# Altium PCB 2-quilter-output.pcbdoc (part 6 of 17) (continued)
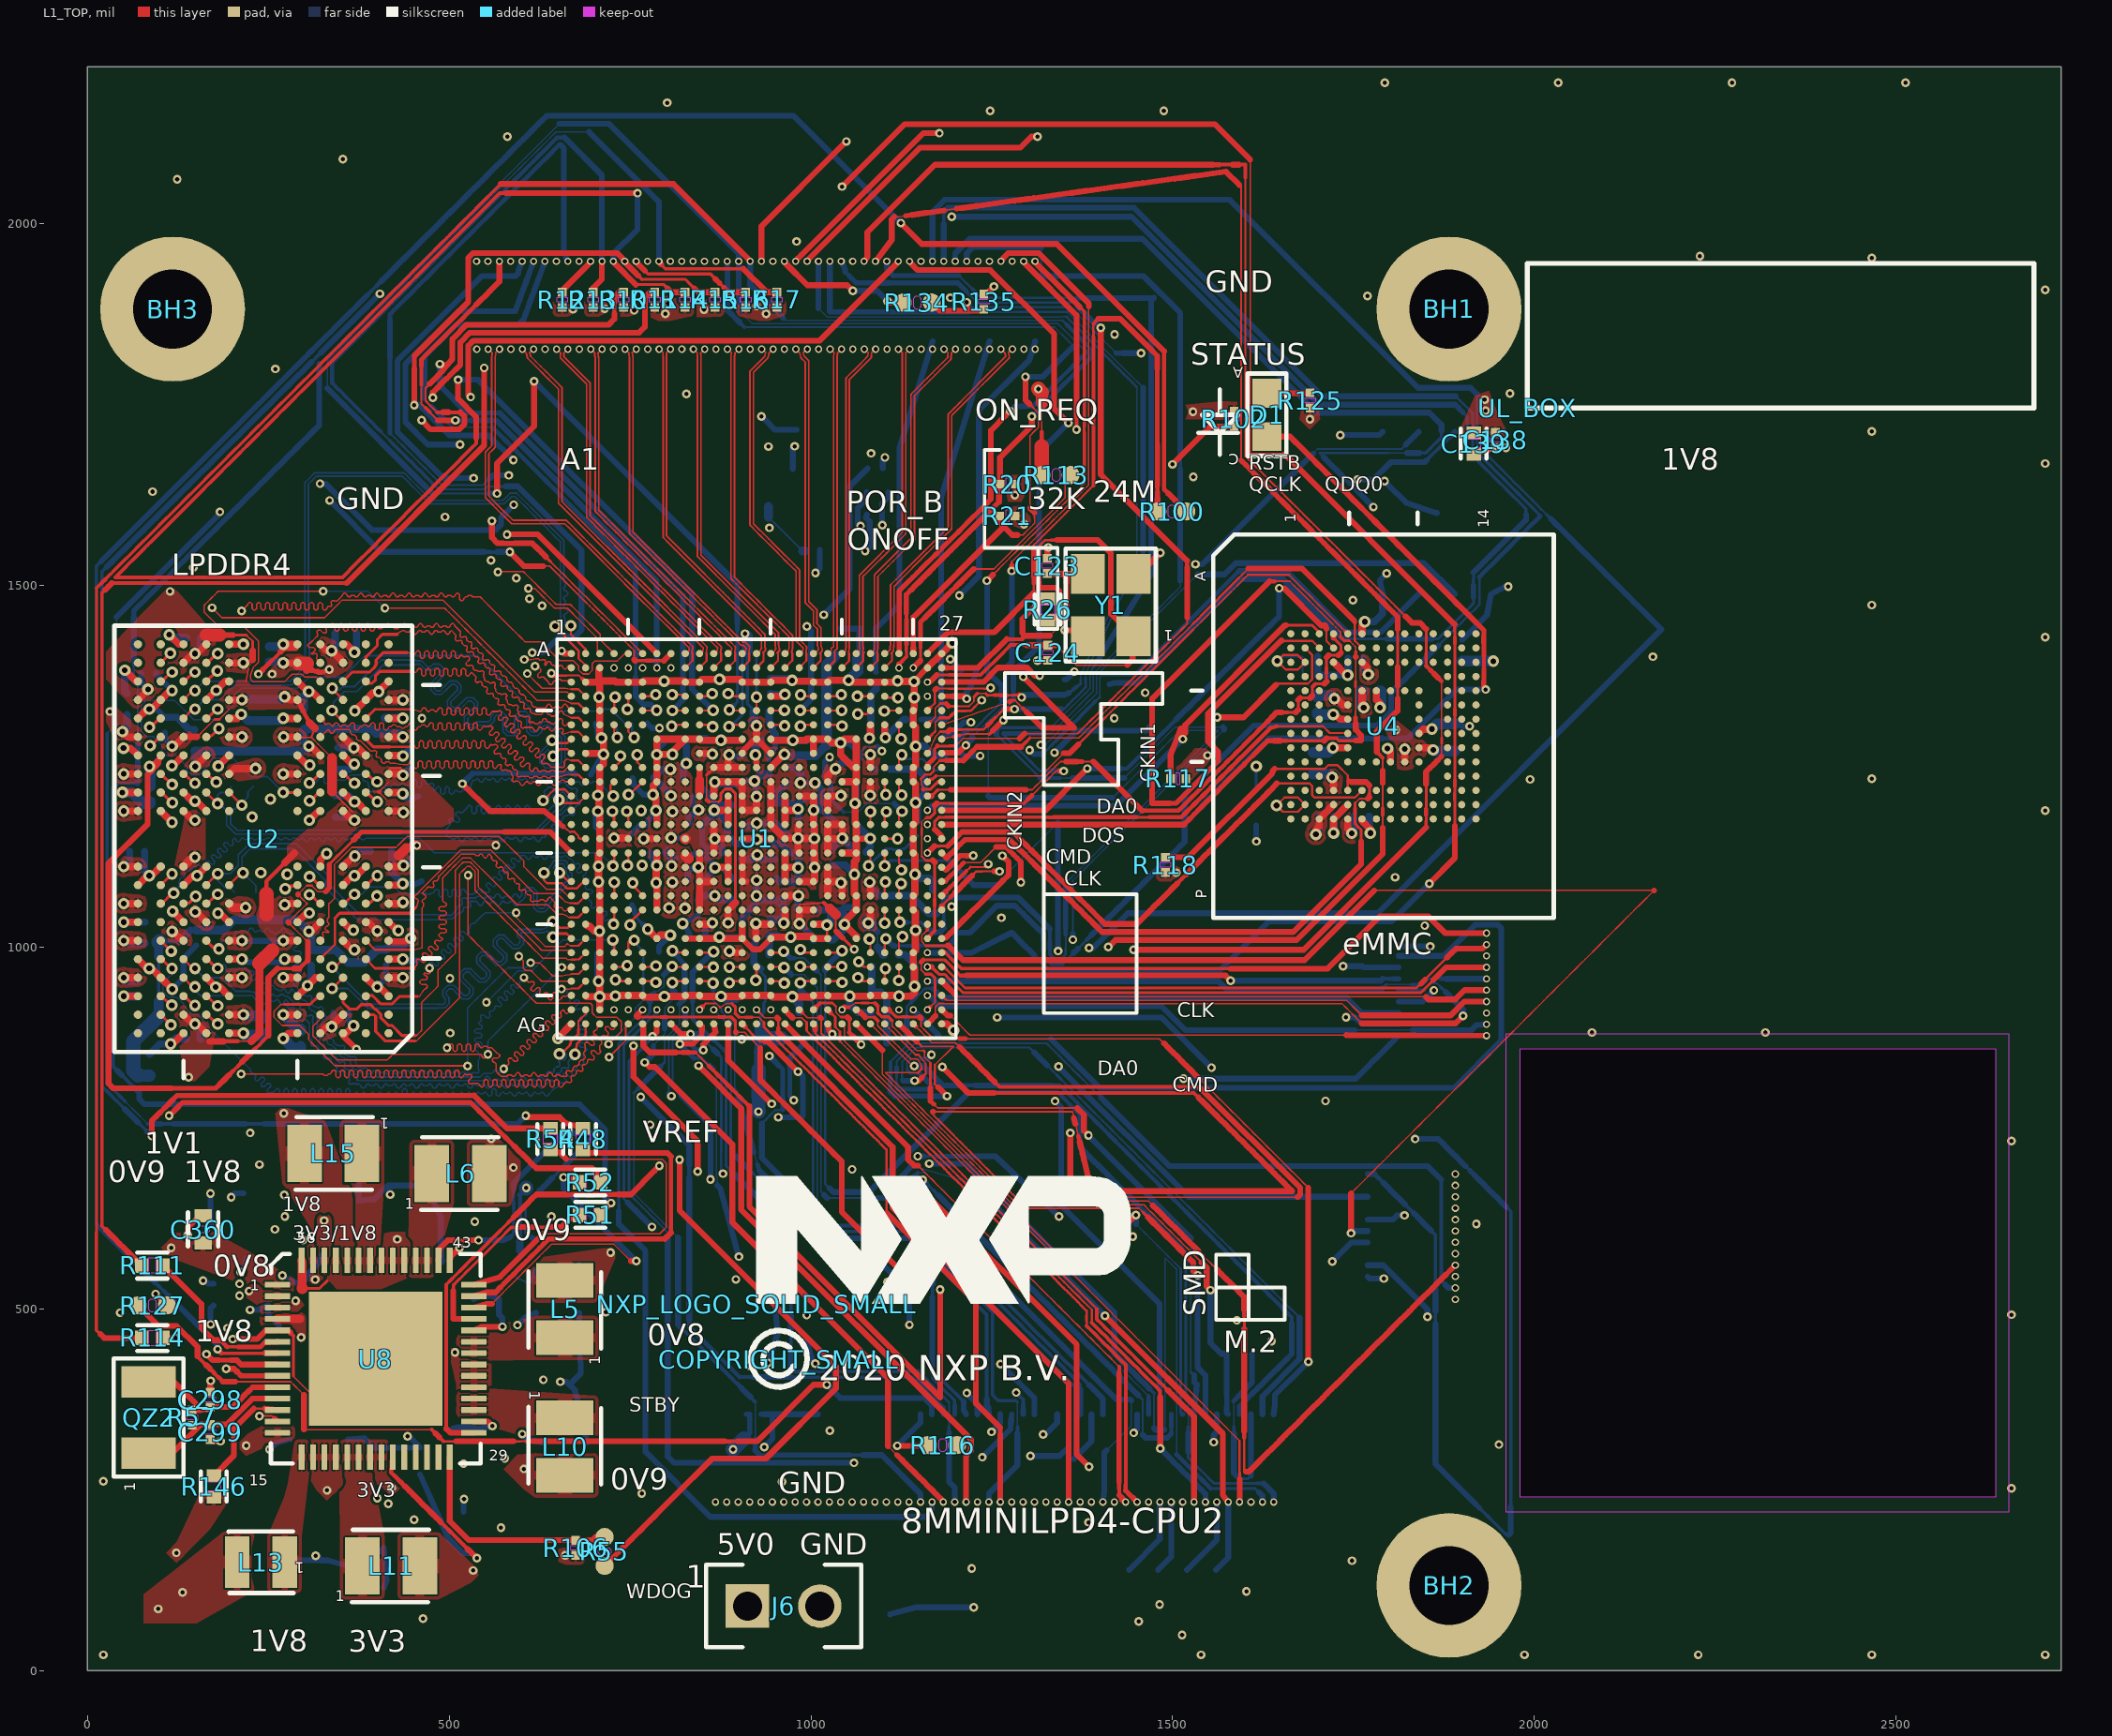
[diagram p0: L1_TOP view]
## Nets (pads, with @x,y where several pads share a name; then routed paths per layer and width w, separated by ;. In a path a pad name is that pad's centre, name@x,y a point inside that pad or via, vN(x,y) a via of type N, cw(c..) or ccw(c..) an arc to the next point about the centre after c; other vN are vias at no path point) (continued)
  L8_BOT w2: v1(553.76,851.97) 553.76,858.09 553.76,864.22 553.76,870.35 560.13,876.71 566.5,883.08 572.86,889.45 579.23,895.81 585.6,902.18 591.96,908.54 598.33,914.91 604.69,921.28 611.06,927.64 617.43,934.01 623.79,940.38 630.16,946.74 636.52,953.11 642.89,959.47 649.26,965.84 v1(655.62,972.21)
DRAMB_DATA7: U1.AC2 U2.C4 | length 657.8
  L1_TOP w2: 270.94,920.98 267.56,920.83 262.69,915.96 257.83,911.09 257.83,903.63 263.7,897.76 269.57,891.88 277.64,891.88 285.71,891.88 293.77,891.88 299.8,885.86 305.83,879.83 305.83,872.31 311.85,866.28 317.88,860.26 323.91,854.23 329.94,848.2 335.96,842.17 341.99,836.15 350.73,836.15 359.47,836.15 368.21,836.15 376.95,836.15 385.69,836.15 394.43,836.15 403.17,836.15 411.91,836.15 420.65,836.15 429.39,836.15 438.13,836.15 446.87,836.15 455.61,836.15 464.35,836.15 473.08,836.15 481.82,836.15 490.56,836.15 499.3,836.15 508.04,836.15 516.78,836.15 525.52,836.15 v1(525.66,836.01) ; v1(612.69,978.53) 618.9,978.53 625.1,978.53 631.17,972.47 637.24,966.4 643.3,960.33 649.51,960.33 655.71,960.33 661.6,961.29 667.48,962.24
  L1_TOP w3: 669,963 678.93,963 U1.AC2@688.67,972.74
  L1_TOP w4.1: 273,921 307.99,921 319.37,932.38 U2.C4@322.07,932.38
  L8_BOT w2: v1(525.66,836.01) 525.66,844.91 525.66,853.82 525.66,862.72 525.66,871.62 525.66,880.53 525.66,889.43 525.66,898.33 525.66,907.24 525.66,916.14 531.81,922.29 537.96,928.44 544.12,934.6 550.27,940.75 556.42,946.9 562.57,953.06 568.73,959.21 574.88,965.36 581.03,971.51 589.25,971.51 597.46,971.51 605.68,971.51 609.18,975.02 v1(612.69,978.53)
DRAMB_DATA8: U1.AG5 U2.B11 | length 1098.1
  L1_TOP w2: v1(721.21,848.31) 725.04,852.14 728.87,855.96 733.97,861.07 739.07,866.17 744.17,871.27 744.17,877.66 744.17,884.05 744.17,890.43 U1.AG5@747.73,893.99
  L1_TOP w4.1: U2.B11@101.6,906.79 v4(115.69,892.7)
  L3_INNER1 w2: v4(115.69,892.7) 123.74,892.7 123.74,889.3 129.9,883.14 136.06,876.98 142.22,870.82 148.38,864.66 154.54,858.5 160.7,852.34 166.86,846.18 173.02,840.02 179.18,833.86 185.34,827.7 191.5,821.54 197.66,815.38 203.82,809.22 212.62,809.22 221.42,809.22 230.21,809.22 239.01,809.22 247.81,809.22 256.6,809.22 265.4,809.22 267.4,809.22 269.44,807.18 273.44,807.18 275.48,809.22 277.48,809.22 279.52,807.18 279.52,806.18 281.55,804.15 283.56,804.15 285.59,806.18 285.59,807.18 287.63,809.22 289.63,809.22 291.67,807.18 295.67,807.18 297.71,809.22 299.71,809.22 301.75,807.18 301.75,806.18 303.78,804.15 305.79,804.15 307.82,806.18 307.82,807.18 309.86,809.22 311.86,809.22 313.9,807.18 317.9,807.18 319.94,809.22 321.94,809.22 323.98,807.18 323.98,806.18 326.01,804.15 328.02,804.15 330.05,806.18 330.05,807.18 332.09,809.22 334.09,809.22 336.13,807.18 340.13,807.18 342.17,809.22 344.17,809.22 346.21,807.18 346.21,806.18 348.25,804.15 350.25,804.15 352.28,806.18 352.28,807.18 354.32,809.22 356.32,809.22 358.36,807.18 362.36,807.18 364.4,809.22 366.4,809.22 368.44,807.18 368.44,806.18 370.48,804.15 372.48,804.15 374.51,806.18 374.51,807.18 376.55,809.22 378.55,809.22 380.59,807.18 384.59,807.18 386.63,809.22 388.63,809.22 390.67,807.18 390.67,806.18 392.71,804.15 394.71,804.15 396.75,806.18 396.75,807.18 398.78,809.22 400.78,809.22 402.82,807.18 406.82,807.18 408.86,809.22 410.86,809.22 412.9,807.18 412.9,806.18 414.94,804.15 416.94,804.15 418.98,806.18 418.98,807.18 421.01,809.22 423.01,809.22 425.05,807.18 429.06,807.18 431.09,809.22 433.09,809.22 435.13,807.18 435.13,806.18 437.17,804.15 439.17,804.15 441.21,806.18 441.21,807.18 443.24,809.22 445.25,809.22 447.28,807.18 451.29,807.18 453.32,809.22 455.33,809.22 457.36,807.18 457.36,806.18 459.4,804.15 461.4,804.15 463.44,806.18 463.44,807.18 465.47,809.22 467.48,809.22 469.51,807.18 473.52,807.18 475.55,809.22 477.56,809.22 479.59,807.18 479.59,806.18 481.63,804.15 483.63,804.15 485.67,806.18 485.67,812.26 487.7,814.3 489.71,814.3 491.74,812.26 491.74,806.18 493.78,804.15 495.78,804.15 497.82,806.18 497.82,812.26 499.86,814.3 501.86,814.3 503.89,812.26 503.89,806.18 505.93,804.15 507.93,804.15 509.97,806.18 509.97,812.26 512.01,814.3 514.01,814.3 516.05,812.26 516.05,806.18 518.08,804.15 520.08,804.15 522.12,806.18 522.12,812.26 524.16,814.3 526.16,814.3 528.2,812.26 528.2,806.18 530.23,804.15 532.24,804.15 534.27,806.18 534.27,812.26 536.31,814.3 538.31,814.3 540.35,812.26 540.35,806.18 542.38,804.15 544.39,804.15 546.42,806.18 546.42,812.26 548.46,814.3 550.46,814.3 552.5,812.26 552.5,806.18 554.54,804.15 556.54,804.15 558.57,806.18 558.57,812.26 560.61,814.3 562.61,814.3 564.65,812.26 564.65,806.18 566.69,804.15 568.69,804.15 570.73,806.18 570.73,812.26 572.76,814.3 574.76,814.3 576.8,812.26 576.8,806.18 578.84,804.15 580.84,804.15 582.88,806.18 582.88,812.26 584.91,814.3 586.92,814.3 588.95,812.26 588.95,806.18 590.99,804.15 592.99,804.15 595.03,806.18 595.03,812.26 597.07,814.3 599.07,814.3 601.1,812.26 601.1,806.18 603.14,804.15 605.14,804.15 607.18,806.18 607.18,812.26 609.22,814.3 611.22,814.3 613.25,812.26 613.25,806.18 615.29,804.15 617.29,804.15 619.33,806.18 619.33,812.26 621.37,814.3 623.37,814.3 625.41,812.26 625.41,806.18 627.44,804.15 629.45,804.15 631.48,806.18 631.48,812.26 633.52,814.3 635.52,814.3 637.56,812.26 637.56,806.18 639.59,804.15 641.6,804.15 643.63,806.18 643.63,812.26 645.67,814.3 647.67,814.3 649.71,812.26 649.71,806.18 651.75,804.15 653.75,804.15 655.78,806.18 655.78,812.26 657.82,814.3 659.82,814.3 661.86,812.26 661.86,806.18 663.9,804.15 665.9,804.15 667.94,806.18 667.94,812.26 669.97,814.3 671.97,814.3 674.01,812.26 674.01,806.18 676.05,804.15 678.05,804.15 680.09,806.18 680.09,807.18 682.12,809.22 686.22,813.32 686.22,816.2 685.52,816.91 685.52,819.79 686.93,821.21 689.81,821.21 694.11,816.91 696.99,816.91 698.4,818.33 698.4,821.21 694.11,825.5 694.11,828.38 695.52,829.8 698.4,829.8 702.7,825.5 705.58,825.5 707,826.92 707,829.8 702.7,834.09 702.7,836.97 704.12,838.39 707,838.39 711.29,834.09 714.17,834.09 715.59,835.51 715.59,838.39 714.88,839.1 714.88,841.98 v1(721.21,848.31)
DRAMB_DATA9: U1.AF5 U2.C11 | length 1056.6
  L1_TOP w4.1: U2.C11@101.6,932.38 103,932.38 115.48,919.9 v4(116.89,919.9)
  L3_INNER1 w2: v4(116.89,919.9) 124.92,919.9 132.4,919.9 136.07,916.23 139.74,912.56 139.74,909.68 139.04,908.97 139.04,906.09 140.45,904.67 143.33,904.67 144.04,905.38 146.92,905.38 155.78,905.38 161.59,899.58 161.59,893.62 161.59,887.66 161.59,881.62 161.59,879.62 159.55,877.58 159.55,873.58 161.59,871.54 161.59,869.54 159.55,867.5 158.55,867.5 156.51,865.47 156.51,863.46 158.55,861.43 159.55,861.43 161.59,859.39 162.76,858.22 164.17,856.8 167.05,856.8 169.89,853.97 169.89,851.09 171.3,849.68 172.72,848.26 175.6,848.26 178.43,845.43 178.43,842.55 179.84,841.13 181.26,839.72 184.14,839.72 186.97,836.89 186.97,834.01 188.39,832.59 189.8,831.18 192.68,831.18 195.51,828.34 195.51,825.46 196.93,824.05 198.35,822.63 201.23,822.63 204.06,819.8 204.06,816.92 205.47,815.51 210.66,815.51 215.84,815.51 217.84,815.51 219.88,813.47 223.88,813.47 225.92,815.51 227.92,815.51 229.96,817.54 229.96,818.54 231.99,820.58 234,820.58 236.03,818.54 236.03,817.54 238.07,815.51 240.07,815.51 242.11,813.47 246.11,813.47 248.15,815.51 250.15,815.51 252.19,817.54 252.19,818.54 254.22,820.58 256.23,820.58 258.26,818.54 258.26,817.54 260.3,815.51 262.3,815.51 264.34,813.47 268.34,813.47 270.38,815.51 272.38,815.51 274.42,817.54 274.42,818.54 276.45,820.58 278.46,820.58 280.49,818.54 280.49,817.54 282.53,815.51 284.53,815.51 286.57,813.47 290.57,813.47 292.61,815.51 294.61,815.51 296.65,817.54 296.65,818.54 298.69,820.58 300.69,820.58 302.72,818.54 302.72,817.54 304.76,815.51 306.76,815.51 308.8,813.47 312.8,813.47 314.84,815.51 316.84,815.51 318.88,817.54 318.88,818.54 320.92,820.58 322.92,820.58 324.95,818.54 324.95,817.54 326.99,815.51 328.99,815.51 331.03,813.47 335.03,813.47 337.07,815.51 339.07,815.51 341.11,817.54 341.11,818.54 343.15,820.58 345.15,820.58 347.19,818.54 347.19,817.54 349.22,815.51 351.22,815.51 353.26,813.47 357.26,813.47 359.3,815.51 361.3,815.51 363.34,817.54 363.34,818.54 365.38,820.58 367.38,820.58 369.42,818.54 369.42,817.54 371.45,815.51 373.45,815.51 375.49,813.47 379.5,813.47 381.53,815.51 383.53,815.51 385.57,817.54 385.57,818.54 387.61,820.58 389.61,820.58 391.65,818.54 391.65,817.54 393.68,815.51 395.69,815.51 397.72,813.47 401.73,813.47 403.76,815.51 405.77,815.51 407.8,817.54 407.8,818.54 409.84,820.58 411.84,820.58 413.88,818.54 413.88,817.54 415.91,815.51 417.92,815.51 419.95,813.47 423.96,813.47 425.99,815.51 428,815.51 430.03,817.54 430.03,818.54 432.07,820.58 434.07,820.58 436.11,818.54 436.11,817.54 438.14,815.51 440.15,815.51 442.18,813.47 446.19,813.47 448.22,815.51 450.23,815.51 452.26,817.54 452.26,818.54 454.3,820.58 456.3,820.58 458.34,818.54 458.34,817.54 460.38,815.51 462.38,815.51 464.41,813.47 468.42,813.47 470.46,815.51 472.46,815.51 474.49,817.54 474.49,818.54 476.53,820.58 478.53,820.58 480.57,818.54 480.57,817.54 482.61,815.51 486.42,819.32 490.23,823.13 490.23,826.01 489.52,826.71 489.52,829.59 490.93,831.01 493.81,831.01 498.11,826.71 500.99,826.71 502.41,828.13 502.41,831.01 498.11,835.31 498.11,838.19 499.53,839.6 502.41,839.6 506.7,835.31 509.58,835.31 511,836.72 511,839.6 506.7,843.9 506.7,846.78 508.12,848.19 511,848.19 515.29,843.9 518.18,843.9 519.59,845.31 519.59,848.19 515.29,852.49 515.29,855.37 516.71,856.79 519.59,856.79 523.89,852.49 526.77,852.49 528.18,853.91 528.18,856.79 523.89,861.08 523.89,863.96 525.3,865.38 528.18,865.38 532.48,861.08 535.36,861.08 536.78,862.5 536.78,865.38 532.48,869.67 532.48,872.56 533.89,873.97 536.78,873.97 541.07,869.67 543.95,869.67 545.37,871.09 545.37,873.97 541.07,878.27 541.07,881.15 542.49,882.56 545.37,882.56 549.66,878.27 552.54,878.27 553.96,879.68 553.96,882.56 549.66,886.86 549.66,889.74 551.08,891.16 553.96,891.16 558.26,886.86 561.14,886.86 562.55,888.27 562.55,891.16 558.26,895.45 558.26,898.33 559.67,899.75 562.55,899.75 566.85,895.45 569.73,895.45 571.14,896.87 571.14,899.75 570.44,900.46 570.44,903.34 576.76,903.34 578.76,903.34 580.79,901.3 584.8,901.3 586.84,903.34 588.84,903.34 590.87,901.3 590.87,900.3 592.91,898.26 594.91,898.26 596.95,900.3 596.95,901.3 598.99,903.34 600.99,903.34 603.03,901.3 607.03,901.3 609.07,903.34 611.07,903.34 613.11,901.3 613.11,900.3 615.14,898.26 617.14,898.26 619.18,900.3 619.18,901.3 621.22,903.34 623.22,903.34 625.26,901.3 629.26,901.3 631.3,903.34 633.3,903.34 635.34,901.3 635.34,900.3 637.37,898.26 639.37,898.26 641.41,900.3 641.41,901.3 643.45,903.34 645.45,903.34 647.49,901.3 651.49,901.3 653.53,903.34 655.53,903.34 657.57,901.3 657.57,900.3 659.6,898.26 661.61,898.26 663.64,900.3 663.64,901.3 665.68,903.34 667.68,903.34 669.72,901.3 673.72,901.3 675.76,903.34 677.76,903.34 679.8,901.3 679.8,900.3 681.83,898.26 683.84,898.26 685.87,900.3 685.87,901.3 687.91,903.34 689.91,903.34 691.95,901.3 695.95,901.3 697.99,903.34 699.99,903.34 702.03,901.3 702.03,900.3 704.06,898.26 706.07,898.26 708.1,900.3 708.1,901.3 710.14,903.34 712.14,903.34 714.18,901.3 718.18,901.3 720.22,903.34 722.22,903.34 724.26,901.3 724.26,900.3 726.3,898.26 728.3,898.26 730.33,900.3 730.33,901.3 732.37,903.34 735.54,906.5 738.42,906.5 739.13,905.8 742.01,905.8 743.42,907.21 743.42,910.09 742.72,910.8 742.72,913.68 v3(747.73,913.68)
DRAMB_DATA10: U1.AD2 U2.E11 | length 1280.6
  L1_TOP w2: v1(655.46,942.33) v1@659.46,942.33 ; v1@659.47,942.32 667.48,942.24
  L1_TOP w3: 669,943 678.62,943 U1.AD2@688.67,953.05
  L1_TOP w4.1: U2.E11@101.6,983.56 102.89,983.56 115.88,970.57 v4(117.17,970.57)
  L8_BOT w2: v4(117.17,970.57) 117.17,962.52 110.85,956.2 104.53,949.88 104.53,944 104.53,938.11 107.86,934.78 111.19,931.45 113.86,930.98 120.53,930.98 124.48,930.54 128.72,926.3 132.97,922.05 132.97,919.34 139.24,913.06 145.51,906.79 153.67,906.79 160,900.46 160,896.41 165.83,890.58 171.66,884.75 177.49,878.92 183.32,873.09 189.15,867.26 194.98,861.43 200.81,855.6 206.64,849.77 212.47,843.94 218.3,838.11 224.13,832.28 225.55,830.86 225.55,827.98 228.38,825.15 231.26,825.15 232.68,823.74 232.68,820.86 231.97,820.15 231.97,817.27 233.39,815.85 236.27,815.85 240.56,820.15 243.44,820.15 244.86,818.73 244.86,815.85 240.56,811.56 240.56,808.68 241.98,807.26 244.86,807.26 249.15,811.56 252.03,811.56 253.45,810.14 253.45,807.26 249.15,802.96 249.15,800.08 250.57,798.67 253.45,798.67 254.16,799.38 257.04,799.38 257.69,799.38 259.73,801.41 259.73,802.41 261.77,804.45 263.77,804.45 265.81,802.41 265.81,796.34 267.84,794.3 269.85,794.3 271.88,796.34 271.88,802.41 273.92,804.45 275.92,804.45 277.96,802.41 277.96,796.34 280,794.3 282,794.3 284.03,796.34 284.03,802.41 286.07,804.45 288.07,804.45 290.11,802.41 290.11,796.34 292.15,794.3 294.15,794.3 296.19,796.34 296.19,802.41 298.22,804.45 300.22,804.45 302.26,802.41 302.26,796.34 304.3,794.3 306.3,794.3 308.34,796.34 308.34,802.41 310.37,804.45 312.38,804.45 314.41,802.41 314.41,796.34 316.45,794.3 318.45,794.3 320.49,796.34 320.49,802.41 322.52,804.45 324.53,804.45 326.56,802.41 326.56,796.34 328.6,794.3 330.6,794.3 332.64,796.34 332.64,802.41 334.68,804.45 336.68,804.45 338.71,802.41 338.71,796.34 340.75,794.3 342.75,794.3 344.79,796.34 344.79,802.41 346.83,804.45 348.83,804.45 350.87,802.41 350.87,796.34 352.9,794.3 354.9,794.3 356.94,796.34 356.94,802.41 358.98,804.45 360.98,804.45 363.02,802.41 363.02,796.34 365.05,794.3 367.06,794.3 369.09,796.34 369.09,797.34 371.13,799.38 373.13,799.38 375.17,797.34 379.17,797.34 381.21,799.38 383.21,799.38 385.25,797.34 385.25,796.34 387.28,794.3 389.29,794.3 391.32,796.34 391.32,797.34 393.36,799.38 395.36,799.38 397.4,797.34 401.4,797.34 403.44,799.38 405.44,799.38 407.48,797.34 407.48,796.34 409.51,794.3 411.52,794.3 413.55,796.34 413.55,797.34 415.59,799.38 417.59,799.38 419.63,797.34 423.63,797.34 425.67,799.38 427.67,799.38 429.71,797.34 429.71,796.34 431.75,794.3 433.75,794.3 435.78,796.34 435.78,802.41 437.82,804.45 439.82,804.45 441.86,802.41 441.86,796.34 443.9,794.3 445.9,794.3 447.94,796.34 447.94,797.34 449.97,799.38 451.97,799.38 454.01,797.34 458.01,797.34 460.05,799.38 462.05,799.38 464.09,797.34 464.09,796.34 466.13,794.3 468.13,794.3 470.17,796.34 470.17,797.34 472.2,799.38 474.2,799.38 476.24,797.34 480.25,797.34 482.28,799.38 484.28,799.38 486.32,797.34 486.32,796.34 488.36,794.3 490.36,794.3 492.4,796.34 492.4,797.34 494.43,799.38 496.44,799.38 498.47,797.34 502.48,797.34 504.51,799.38 506.51,799.38 508.55,797.34 508.55,796.34 510.59,794.3 512.59,794.3 514.63,796.34 514.63,797.34 516.66,799.38 518.67,799.38 520.7,797.34 524.71,797.34 526.74,799.38 528.75,799.38 530.78,797.34 530.78,796.34 532.82,794.3 534.82,794.3 536.86,796.34 536.86,797.34 538.89,799.38 540.9,799.38 542.93,797.34 546.94,797.34 548.97,799.38 550.98,799.38 553.01,797.34 553.01,796.34 555.05,794.3 557.05,794.3 559.09,796.34 559.09,802.41 561.13,804.45 563.13,804.45 565.16,802.41 565.16,796.34 567.2,794.3 569.2,794.3 571.24,796.34 571.24,797.34 573.28,799.38 575.28,799.38 577.32,797.34 581.32,797.34 583.36,799.38 585.36,799.38 587.39,797.34 587.39,796.34 589.43,794.3 591.43,794.3 593.47,796.34 593.47,797.34 595.51,799.38 597.51,799.38 599.55,797.34 603.55,797.34 605.59,799.38 607.59,799.38 609.63,797.34 609.63,796.34 611.66,794.3 613.66,794.3 615.7,796.34 615.7,797.34 617.74,799.38 619.74,799.38 621.78,797.34 625.78,797.34 627.82,799.38 629.82,799.38 631.86,797.34 631.86,796.34 633.89,794.3 635.9,794.3 637.93,796.34 637.93,797.34 639.97,799.38 645.32,804.73 646.74,806.15 649.62,806.15 652.45,808.98 652.45,811.86 653.87,813.27 656.75,813.27 657.46,812.57 660.34,812.57 661.75,813.98 661.75,816.86 657.46,821.16 657.46,824.04 658.87,825.45 661.75,825.45 666.05,821.16 668.93,821.16 670.34,822.57 670.34,825.45 669.64,826.16 669.64,829.04 671.05,830.46 673.93,830.46 676.76,833.29 676.76,836.17 678.18,837.58 681.06,837.58 681.77,836.88 684.65,836.88 686.06,838.29 686.06,841.17 685.35,841.88 685.35,844.76 685.35,853.68 687.39,855.72 688.39,855.72 690.43,857.75 690.43,859.75 688.39,861.79 682.32,861.79 680.28,863.83 680.28,865.83 682.32,867.87 688.39,867.87 690.43,869.9 690.43,871.91 688.39,873.94 682.32,873.94 680.28,875.98 680.28,877.98 682.32,880.02 688.39,880.02 690.43,882.06 690.43,884.06 688.39,886.09 682.32,886.09 680.28,888.13 680.28,890.13 682.32,892.17 688.39,892.17 690.43,894.21 690.43,896.21 688.39,898.25 682.32,898.25 680.28,900.28 680.28,902.28 682.32,904.32 688.39,904.32 690.43,906.36 690.43,908.36 688.39,910.4 687.39,910.4 685.35,912.43 683,914.79 680.12,914.79 679.41,914.08 676.53,914.08 675.11,915.5 675.11,918.38 679.41,922.68 679.41,925.56 677.99,926.97 675.11,926.97 670.82,922.68 667.93,922.68 666.52,924.09 666.52,926.97 670.82,931.27 670.82,934.15 669.4,935.56 666.52,935.56 665.81,934.86 662.93,934.86 662.63,935.15 662.63,938.04 663.34,938.74 663.34,941.62 661.93,943.04 659.04,943.04 658.34,942.33 v1(655.46,942.33)
DRAMB_DATA11: U1.AD1 U2.F11 | length 1228.6
  L1_TOP w2: v1(596.49,987.5) 602.78,981.2 602.78,976.11 602.78,971.01 605.77,968.02 612.97,968.02 617.96,963.03 622.95,958.04 627.94,953.05 636.15,953.05 644.36,953.05 652.56,953.05 660.77,953.05 U1.AD1@668.98,953.05
  L1_TOP w4.1: U2.F11@101.6,1009.15 v2(116.02,994.73)
  L3_INNER1 w2: v2(116.02,994.73) 116.02,986.69 109.83,980.5 103.65,974.32 97.46,968.13 97.46,959.69 97.46,951.25 97.46,942.81 97.46,934.37 97.46,925.93 97.46,917.49 97.46,909.05 97.46,900.61 97.46,892.17 103.57,886.06 109.69,879.94 114.82,879.94 119.96,879.94 126.2,873.7 132.44,867.45 138.69,861.21 144.93,854.96 151.17,848.72 157.42,842.48 163.66,836.23 169.9,829.99 176.15,823.75 182.39,817.5 188.64,811.26 194.88,805.02 201.12,798.77 210.09,798.77 219.05,798.77 228.02,798.77 236.98,798.77 245.95,798.77 254.92,798.77 263.88,798.77 272.85,798.77 281.81,798.77 290.78,798.77 299.74,798.77 308.71,798.77 317.67,798.77 326.64,798.77 335.6,798.77 344.57,798.77 353.54,798.77 362.5,798.77 371.47,798.77 380.43,798.77 389.4,798.77 398.36,798.77 407.33,798.77 416.29,798.77 425.26,798.77 434.22,798.77 443.19,798.77 452.15,798.77 461.12,798.77 470.09,798.77 479.05,798.77 488.02,798.77 496.98,798.77 505.95,798.77 514.91,798.77 523.88,798.77 532.84,798.77 541.81,798.77 550.77,798.77 559.74,798.77 568.71,798.77 577.67,798.77 586.64,798.77 595.6,798.77 604.57,798.77 613.53,798.77 622.5,798.77 631.46,798.77 640.43,798.77 649.39,798.77 658.36,798.77 667.33,798.77 676.29,798.77 685.26,798.77 691.35,804.86 697.44,810.96 703.53,817.05 709.62,823.14 715.71,829.23 721.81,835.32 727.9,841.41 733.99,847.51 733.99,855.61 733.99,863.72 733.99,871.83 733.99,879.94 733.99,888.04 739.88,893.94 745.77,899.83 751.67,905.72 757.56,911.61 757.56,919.75 757.56,927.88 757.56,936.02 757.56,944.15 757.56,952.28 757.56,960.42 757.56,968.55 757.56,976.68 757.56,984.82 754.21,988.17 745.48,988.17 736.76,988.17 728.03,988.17 719.31,988.17 710.58,988.17 701.86,988.17 693.13,988.17 684.41,988.17 675.68,988.17 666.96,988.17 658.23,988.17 649.51,988.17 640.78,988.17 632.06,988.17 623.33,988.17 614.61,988.17 605.88,988.17 597.16,988.17 v1(596.49,987.5)
DRAMB_DATA12: U1.AE1 U2.F9 | length 1123
  L1_TOP w2: v1(603.54,958.01) 609.73,951.82 612.61,951.82 613.32,952.52 616.2,952.52 617.61,951.11 617.61,948.23 613.32,943.93 613.32,941.05 614.73,939.64 617.61,939.64 621.91,943.93 624.79,943.93 626.21,942.52 626.21,939.64 625.5,938.93 625.5,936.05 629.07,932.48 631.11,934.51 631.11,935.52 633.14,937.55 635.15,937.55 637.18,935.52 637.18,929.44 639.22,927.4 641.22,927.4 643.26,929.44 643.26,935.52 645.29,937.55 647.3,937.55 649.33,935.52 649.33,929.44 651.37,927.4 653.37,927.4 655.41,929.44 655.41,930.44 657.45,932.48 663.07,932.48 663.94,933.35 U1.AE1@668.98,933.36
  L1_TOP w4.1: U2.F9@164.59,1009.15 173.86,999.88 179.65,999.88 v4(181.93,997.6)
  L8_BOT w2: v4(181.93,997.6) 185.52,1001.19 185.52,1004.07 184.81,1004.78 184.81,1007.66 186.23,1009.07 189.11,1009.07 193.41,1004.78 196.29,1004.78 197.7,1006.19 197.7,1009.07 196.99,1009.78 196.99,1012.66 198.41,1014.08 201.29,1014.08 204.12,1016.91 204.12,1019.79 205.54,1021.21 209.63,1021.21 211.64,1021.21 213.67,1023.24 217.68,1023.24 219.71,1021.21 221.72,1021.21 223.75,1023.24 223.75,1024.24 225.79,1026.28 227.79,1026.28 229.83,1024.24 229.83,1023.24 231.87,1021.21 233.87,1021.21 235.9,1023.24 239.91,1023.24 241.94,1021.21 243.95,1021.21 245.98,1023.24 245.98,1024.24 248.02,1026.28 250.02,1026.28 252.06,1024.24 252.06,1023.24 254.1,1021.21 256.1,1021.21 258.13,1019.17 262.14,1019.17 264.18,1021.21 266.18,1021.21 268.21,1023.24 268.21,1024.24 270.25,1026.28 272.25,1026.28 274.29,1024.24 274.29,1023.24 276.33,1021.21 279.08,1018.45 281.96,1018.45 282.67,1019.16 285.55,1019.16 286.96,1017.75 286.96,1014.87 282.67,1010.57 282.67,1007.69 284.08,1006.27 286.96,1006.27 287.67,1006.98 290.55,1006.98 290.55,1002.73 288.51,1000.69 287.51,1000.69 285.48,998.65 285.48,996.65 287.51,994.62 293.59,994.62 295.63,992.58 295.63,990.58 293.59,988.54 287.51,988.54 285.48,986.5 285.48,984.5 287.51,982.46 293.59,982.46 295.63,980.43 295.63,978.43 293.59,976.39 287.51,976.39 285.48,974.35 285.48,972.35 287.51,970.31 293.59,970.31 295.63,968.28 295.63,966.27 293.59,964.24 287.51,964.24 285.48,962.2 285.48,960.2 287.51,958.16 293.59,958.16 295.63,956.13 295.63,954.12 293.59,952.09 287.51,952.09 285.48,950.05 285.48,948.05 287.51,946.01 288.51,946.01 290.55,943.97 293.8,940.73 295.21,939.31 295.21,936.43 298.04,933.6 300.92,933.6 302.34,932.19 305.22,932.19 305.93,932.89 308.81,932.89 310.22,931.48 310.22,928.6 309.51,927.89 309.51,925.01 310.93,923.59 310.93,920.71 313.76,917.88 316.64,917.88 318.06,916.47 320.94,916.47 321.65,917.18 324.53,917.18 325.94,915.76 325.94,912.88 325.23,912.17 325.23,909.29 325.23,908.73 327.27,906.69 328.27,906.69 330.31,904.66 330.31,902.66 328.27,900.62 327.27,900.62 325.23,898.58 325.23,896.58 323.2,894.54 323.2,890.54 325.23,888.5 325.23,886.5 330.89,880.84 332.31,879.42 332.31,876.54 335.14,873.71 338.02,873.71 339.44,872.3 340.85,870.88 340.85,868 343.68,865.17 346.56,865.17 347.98,863.75 350.86,863.75 351.57,864.46 354.45,864.46 355.86,863.05 355.86,860.17 355.16,859.46 355.16,856.58 356.57,855.16 356.57,852.28 359.4,849.45 362.28,849.45 363.7,848.04 366.58,848.04 367.29,848.74 370.17,848.74 371.58,847.33 371.58,844.45 370.88,843.74 370.88,840.86 372.29,839.44 372.29,836.56 375.12,833.73 378,833.73 379.42,832.32 382.3,832.32 383.01,833.02 385.89,833.02 387.3,831.61 387.3,828.73 386.6,828.02 386.6,825.14 392.63,825.14 394.67,827.18 394.67,828.18 396.7,830.21 398.71,830.21 400.74,828.18 400.74,827.18 402.78,825.14 404.78,825.14 406.82,827.18 410.82,827.18 412.86,825.14 414.86,825.14 416.9,827.18 416.9,828.18 418.93,830.21 420.94,830.21 422.97,828.18 422.97,827.18 425.01,825.14 427.01,825.14 429.05,827.18 433.05,827.18 435.09,825.14 437.09,825.14 439.13,827.18 439.13,828.18 441.16,830.21 443.17,830.21 445.2,828.18 445.2,827.18 447.24,825.14 449.24,825.14 451.28,827.18 455.28,827.18 457.32,825.14 459.32,825.14 461.36,827.18 461.36,828.18 463.4,830.21 465.4,830.21 467.43,828.18 467.43,827.18 469.47,825.14 471.47,825.14 473.51,827.18 477.51,827.18 479.55,825.14 481.55,825.14 483.59,827.18 483.59,828.18 485.63,830.21 487.63,830.21 489.66,828.18 489.66,827.18 491.7,825.14 493.7,825.14 495.74,827.18 499.74,827.18 501.78,825.14 503.78,825.14 505.82,827.18 505.82,828.18 507.86,830.21 509.86,830.21 511.9,828.18 511.9,827.18 513.93,825.14 515.93,825.14 517.97,827.18 521.98,827.18 524.01,825.14 526.01,825.14 532.05,825.14 533.47,826.55 536.35,826.55 537.05,825.84 539.93,825.84 541.35,827.26 541.35,830.14 540.64,830.85 540.64,833.73 540.64,842.51 540.64,844.51 542.68,846.54 542.68,850.55 540.64,852.59 540.64,854.59 538.61,856.62 537.6,856.62 535.57,858.66 535.57,860.66 537.6,862.7 543.68,862.7 545.72,864.74 545.72,866.74 543.68,868.78 537.6,868.78 535.57,870.81 535.57,872.81 537.6,874.85 543.68,874.85 545.72,876.89 545.72,878.89 543.68,880.93 537.6,880.93 535.57,882.96 535.57,884.97 537.6,887 543.68,887 545.72,889.04 545.72,891.04 543.68,893.08 542.68,893.08 540.64,895.11 544.25,898.73 544.25,901.61 543.55,902.32 543.55,905.2 544.96,906.61 547.84,906.61 552.14,902.32 555.02,902.32 556.44,903.73 556.44,906.61 555.73,907.32 555.73,910.2 557.14,911.62 560.02,911.62 562.85,914.45 562.85,917.33 564.27,918.74 567.15,918.74 567.86,918.03 570.74,918.03 572.15,919.45 572.15,922.33 567.86,926.63 567.86,929.51 569.27,930.92 572.15,930.92 576.45,926.63 579.33,926.63 580.75,928.04 580.75,930.92 576.45,935.22 576.45,938.1 577.87,939.52 580.75,939.52 585.04,935.22 587.92,935.22 589.34,936.63 589.34,939.52 585.04,943.81 585.04,946.69 586.46,948.11 589.34,948.11 593.64,943.81 596.52,943.81 597.93,945.23 597.93,948.11 597.22,948.82 597.22,951.7 v1(603.54,958.01)
DRAMB_DATA13: U1.AF1 U2.E9 | length 833.2
  L1_TOP w2: v1(575.72,831.79) 579.13,835.2 582.54,838.61 582.54,841.49 581.83,842.2 581.83,845.08 583.25,846.5 586.13,846.5 590.43,842.2 593.31,842.2 594.72,843.62 594.72,846.5 590.43,850.79 590.43,853.68 591.84,855.09 594.72,855.09 599.02,850.79 601.9,850.79 603.31,852.21 603.31,855.09 599.02,859.39 599.02,862.27 600.43,863.68 603.31,863.68 607.61,859.39 610.49,859.39 611.91,860.8 611.91,863.68 607.61,867.98 607.61,870.86 609.03,872.28 611.91,872.28 616.2,867.98 619.08,867.98 620.5,869.39 620.5,872.28 616.2,876.57 616.2,879.45 617.62,880.87 620.5,880.87 624.79,876.57 627.68,876.57 629.09,877.99 629.09,880.87 624.79,885.16 624.79,888.04 626.21,889.46 629.09,889.46 633.39,885.16 636.27,885.16 637.68,886.58 637.68,889.46 633.39,893.76 633.39,896.64 634.8,898.05 637.68,898.05 641.98,893.76 644.86,893.76 646.28,895.17 646.28,898.05 641.98,902.35 641.98,905.23 643.39,906.64 646.28,906.64 650.57,902.35 653.45,902.35 654.87,903.76 654.87,906.64 654.16,907.35 654.16,910.23 657.61,913.68 659.65,911.64 659.65,910.64 661.68,908.61 663.68,908.61 665.72,910.64 665.72,911.64 667.76,913.68 U1.AF1@668.98,913.68
  L1_TOP w4.1: U2.E9@164.59,983.56 166.08,983.56 178.84,970.8 v2(180.33,970.8)
  L8_BOT w2: v2(180.33,970.8) 183.57,970.81 185.61,972.84 185.61,973.84 187.65,975.88 189.65,975.88 191.68,973.84 191.68,967.77 193.72,965.73 195.72,965.73 197.76,967.77 197.76,968.77 199.8,970.81 201.8,970.81 203.84,968.77 207.84,968.77 209.88,970.81 211.88,970.81 217.92,970.81 222.35,966.37 225.24,966.37 225.94,967.08 228.82,967.08 230.24,965.66 230.24,962.78 225.94,958.49 225.94,955.61 227.36,954.19 230.24,954.19 234.54,958.49 237.42,958.49 238.83,957.07 238.83,954.19 234.54,949.9 234.54,947.01 235.95,945.6 238.83,945.6 243.13,949.9 246.01,949.9 247.42,948.48 247.42,945.6 246.72,944.89 246.72,942.01 250.39,942.01 252.42,944.05 252.42,945.05 254.46,947.09 256.46,947.09 258.5,945.05 258.5,944.05 260.54,942.01 262.54,942.01 264.57,939.97 268.58,939.97 270.62,942.01 272.62,942.01 274.65,939.97 274.65,938.97 276.69,936.94 278.69,936.94 280.73,938.97 280.73,939.97 282.77,942.01 288.09,936.69 289.51,935.27 289.51,932.39 292.34,929.56 295.22,929.56 296.63,928.14 298.05,926.73 300.93,926.73 303.76,923.9 303.76,921.02 305.18,919.6 306.59,918.18 306.59,915.3 309.42,912.47 312.31,912.47 313.72,911.06 317.99,906.79 317.99,901.71 317.99,896.63 317.99,890.59 317.99,884.55 322.2,880.34 326.41,876.13 330.69,871.86 332.1,870.44 332.1,867.56 334.93,864.73 337.81,864.73 339.23,863.31 343.5,859.04 347.77,854.77 349.19,853.35 349.19,850.47 352.02,847.64 354.9,847.64 356.31,846.23 357.73,844.81 360.61,844.81 363.44,841.98 363.44,839.1 364.86,837.68 366.27,836.27 366.27,833.39 369.1,830.56 371.98,830.56 373.4,829.14 374.82,827.72 377.7,827.72 380.53,824.89 380.53,822.01 381.94,820.6 387.06,820.6 392.19,820.6 398.23,820.6 404.27,820.6 410.31,820.6 416.35,820.6 422.39,820.6 428.43,820.6 434.47,820.6 440.51,820.6 446.55,820.6 452.59,820.6 458.63,820.6 464.67,820.6 470.72,820.6 476.76,820.6 482.8,820.6 488.84,820.6 494.88,820.6 500.92,820.6 506.96,820.6 513,820.6 519.04,820.6 525.08,820.6 531.12,820.6 537.16,820.6 543.21,820.6 548.31,825.7 553.89,825.7 559.48,825.7 561.52,827.74 561.52,828.74 563.55,830.77 565.55,830.77 567.59,828.74 567.59,827.74 569.63,825.7 v1(575.72,831.79)